# Altium PCB Cubli.PcbDoc (part 4 of 5)
Units mm, origin at the board's own origin, x right, y up, seen from the top; angles counter-clockwise.
Board outline 75.4 x 45.4 mm, 8 copper layers (Top Layer, GND 1, Signal 1, PWR 1, GND 2, Signal 2, PWR 2, Bottom Layer), stack 1.58 mm thick; 473 components, 286 nets, 1760 pads, 916 vias.
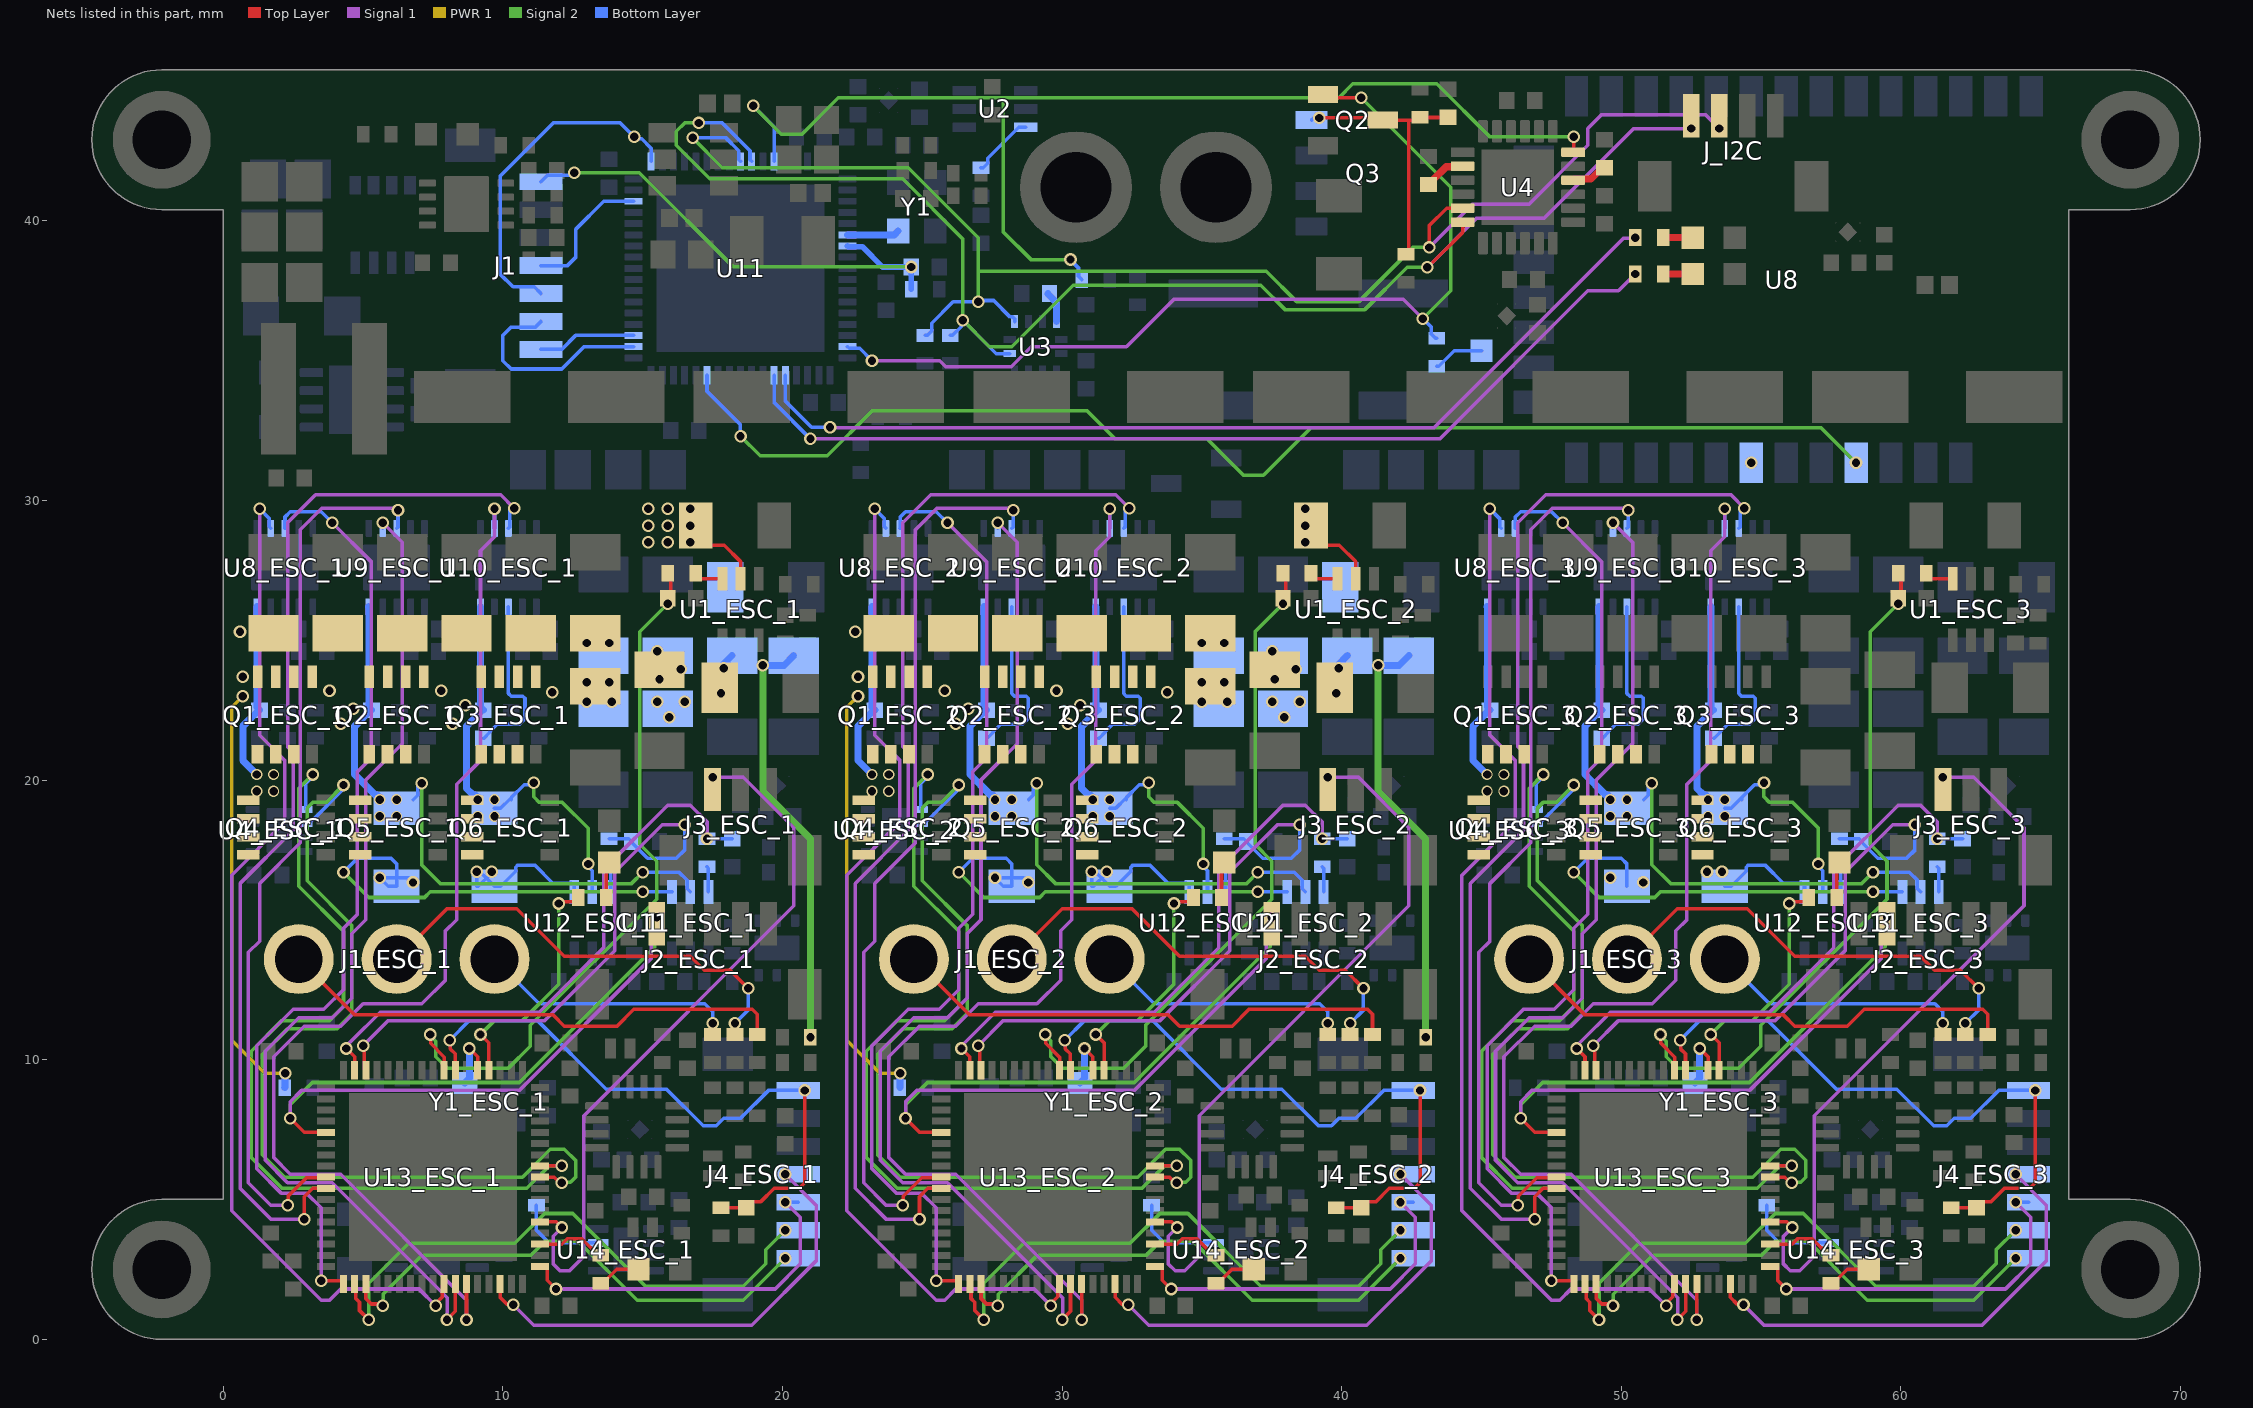
[diagram p10: the nets of this part, all layers, seen from the top]

## Via types
v1: diameter 0.45, hole 0.3, Top Layer to Bottom Layer, tented both sides, 853 vias
v2: diameter 0.4, hole 0.3, Top Layer to Bottom Layer, tented both sides, 63 vias

## Nets (pads, with @x,y where several pads share a name; then routed paths per layer and width w, separated by ;. In a path a pad name is that pad's centre, name@x,y a point inside that pad or via, vN(x,y) a via of type N, cw(c..) or ccw(c..) an arc to the next point about the centre after c; other vN are vias at no path point) (continued)
HB_V_2: C30_ESC_2.2 U9_ESC_2.3 | length 6.3
  Bottom Layer w0.127: C30_ESC_2.2@27.3,21.5 27.325,21.5 27.536,21.712 27.536,21.737 27.8,22 28.594,22 28.79,22.196 28.79,22.926 28.716,23 28.297,23 28.2,23.097 U9_ESC_2.3@28.2,26.2
HB_V_3: C30_ESC_3.2 U9_ESC_3.3 | length 6.3
  Bottom Layer w0.127: C30_ESC_3.2@49.3,21.5 49.325,21.5 49.536,21.712 49.536,21.737 49.8,22 50.594,22 50.79,22.196 50.79,22.926 50.716,23 50.297,23 50.2,23.097 U9_ESC_3.3@50.2,26.2
HB_W_1: C33_ESC_1.2 U10_ESC_1.3 | length 6.3
  Bottom Layer w0.127: C33_ESC_1.2@9.3,21.5 9.325,21.5 9.536,21.712 9.536,21.737 9.8,22 10.594,22 10.79,22.196 10.79,22.926 10.716,23 10.297,23 10.2,23.097 U10_ESC_1.3@10.2,26.2
HB_W_2: C33_ESC_2.2 U10_ESC_2.3 | length 6.3
  Bottom Layer w0.127: C33_ESC_2.2@31.3,21.5 31.325,21.5 31.536,21.712 31.536,21.737 31.8,22 32.594,22 32.79,22.196 32.79,22.926 32.716,23 32.297,23 32.2,23.097 U10_ESC_2.3@32.2,26.2
HB_W_3: C33_ESC_3.2 U10_ESC_3.3 | length 6.3
  Bottom Layer w0.127: C33_ESC_3.2@53.3,21.5 53.325,21.5 53.536,21.712 53.536,21.737 53.8,22 54.594,22 54.79,22.196 54.79,22.926 54.716,23 54.297,23 54.2,23.097 U10_ESC_3.3@54.2,26.2
I2C_ESC.SCL_1: U4_ESC_1.2 U13_ESC_1.60 | length 33.2
  Top Layer w0.127: U13_ESC_1.60@11.325,5.8 11.84,5.8 12.04,5.6 v1(12.1,5.6)
  Signal 2 w0.127: v1(4.3,19.822) 3.677,19.2 3.2,19.2 3,19 3,16.4 4.6,14.8 4.6,11.641 4.059,11.1 2.3,11.1 1.4,10.2 1.4,6.6 2.2,5.8 10.7,5.8 11.7,6.8 12.2,6.8 12.6,6.4 12.6,5.8 12.417,5.617 12.117,5.617 v1(12.1,5.6)
  Bottom Layer w0.127: U4_ESC_1.2@2.95,18.45 3.075,18.45 3.26,18.635 ; 3.261,18.635 4.238,19.612 4.238,19.761 v1(4.3,19.822)
I2C_ESC.SCL_2: U4_ESC_2.2 U13_ESC_2.60 | length 33.2
  Top Layer w0.127: U13_ESC_2.60@33.325,5.8 33.84,5.8 34.04,5.6 v1(34.1,5.6)
  Signal 2 w0.127: v1(26.3,19.822) 25.677,19.2 25.2,19.2 25,19 25,16.4 26.6,14.8 26.6,11.641 26.059,11.1 24.3,11.1 23.4,10.2 23.4,6.6 24.2,5.8 32.7,5.8 33.7,6.8 34.2,6.8 34.6,6.4 34.6,5.8 34.417,5.617 34.117,5.617 v1(34.1,5.6)
  Bottom Layer w0.127: U4_ESC_2.2@24.95,18.45 25.075,18.45 25.259,18.635 26.238,19.612 26.238,19.761 v1(26.3,19.822)
I2C_ESC.SCL_3: U4_ESC_3.2 U13_ESC_3.60 | length 33.2
  Top Layer w0.127: U13_ESC_3.60@55.325,5.8 55.84,5.8 56.04,5.6 v1(56.1,5.6)
  Signal 2 w0.127: v1(48.3,19.822) 47.677,19.2 47.2,19.2 47,19 47,16.4 48.6,14.8 48.6,11.641 48.059,11.1 46.3,11.1 45.4,10.2 45.4,6.6 46.2,5.8 54.7,5.8 55.7,6.8 56.2,6.8 56.6,6.4 56.6,5.8 56.417,5.617 56.117,5.617 v1(56.1,5.6)
  Bottom Layer w0.127: U4_ESC_3.2@46.95,18.45 47.075,18.45 47.259,18.635 ; 47.261,18.635 48.238,19.612 48.238,19.761 v1(48.3,19.822)
I2C_ESC.SDA_1: U4_ESC_1.1 U13_ESC_1.61 | length 30.9
  Top Layer w0.127: U13_ESC_1.61@11.325,6.2 v1(12.1,6.2)
  Signal 2 w0.127: v1(3.2,20.2) 2.7,19.7 2.7,16.2 4.3,14.6 4.3,11.9 3.8,11.4 2.1,11.4 1,10.3 1,6.5 2.1,5.4 10.859,5.4 11.659,6.2 v1(12.1,6.2)
  Bottom Layer w0.127: U4_ESC_1.1@2.95,18.95 2.95,19.863 3.2,20.113 v1(3.2,20.2)
I2C_ESC.SDA_2: U4_ESC_2.1 U13_ESC_2.61 | length 30.9
  Top Layer w0.127: U13_ESC_2.61@33.325,6.2 v1(34.1,6.2)
  Signal 2 w0.127: v1(25.2,20.2) 24.7,19.7 24.7,16.2 26.3,14.6 26.3,11.9 25.8,11.4 24.1,11.4 23,10.3 23,6.5 24.1,5.4 32.859,5.4 33.659,6.2 v1(34.1,6.2)
  Bottom Layer w0.127: U4_ESC_2.1@24.95,18.95 24.95,19.863 25.2,20.113 v1(25.2,20.2)
I2C_ESC.SDA_3: U4_ESC_3.1 U13_ESC_3.61 | length 30.9
  Top Layer w0.127: U13_ESC_3.61@55.325,6.2 v1(56.1,6.2)
  Signal 2 w0.127: v1(47.2,20.2) 46.7,19.7 46.7,16.2 48.3,14.6 48.3,11.9 47.8,11.4 46.1,11.4 45,10.3 45,6.5 46.1,5.4 54.859,5.4 55.659,6.2 v1(56.1,6.2)
  Bottom Layer w0.127: U4_ESC_3.1@46.95,18.95 46.95,19.863 47.2,20.113 v1(47.2,20.2)
I2C_MAIN.SCL: J_I2C.3 R10.2 U3.1 U4.23 U11.60 | length 53.5
  Top Layer w0.127: v1(43.136,39.048) 43.136,39.836 43.75,40.45 U4.23@44.325,40.45
  Top Layer w0.254: v1(53.5,43.3) J_I2C.3@53.5,43.762
  Signal 1 w0.127: v1(43.136,39.048) 44.688,40.6 46.7,40.6 48.8,42.7 48.8,43.3 49.3,43.8 53,43.8 v1(53.5,43.3)
  Signal 2 w0.127: v1(16.786,42.964) 17.85,41.9 24.5,41.9 27,39.4 27,38.2 ; v1(27,37.1) 27,38.2 ; v1(43.136,39.048) 42.548,39.048 40.616,37.116 38.385,37.116 37.3,38.2 27,38.2
  Bottom Layer w0.127: v1(16.786,42.964) 17.98,42.964 18.439,42.506 18.439,42.187 U11.60@18.5,42.125 ; R10.2@25.1,35.9 25.175,35.9 25.336,36.062 25.336,36.337 26.1,37.1 v1(27,37.1) ; v1@26.95,37.15 27.55,37.15 28.138,36.561 28.238,36.561 28.3,36.5 U3.1@28.3,36.4
I2C_MAIN.SDA: J_I2C.4 R9.2 U3.11 U4.24 U11.61 | length 54.6
  Top Layer w0.127: v1(43.061,38.339) 43.079,38.339 44.325,39.584 U4.24@44.325,39.95
  Top Layer w0.254: v1(52.5,43.3) J_I2C.4@52.5,43.762
  Signal 1 w0.127: v1@43.07,38.339 44.832,40.1 47.248,40.1 50.448,43.3 v1(52.5,43.3)
  Signal 2 w0.127: v1(17,43.5) 16.5,43.5 16.2,43.2 16.2,42.7 17.4,41.5 24.3,41.5 26.45,39.35 v1(26.45,36.45) ; v1@26.453,36.447 27.4,35.5 28.2,35.5 30.4,37.7 37.1,37.7 37.988,36.812 40.812,36.812 42.339,38.339 v1(43.061,38.339)
  Bottom Layer w0.127: v1(17,43.5) 17.844,43.5 18.838,42.506 18.838,42.187 U11.61@18.9,42.125 ; R9.2@26,35.9 26.075,35.9 26.388,36.213 26.388,36.388 v1(26.45,36.45) 27.65,35.25 U3.11@28.125,35.25
IMU_INT: R15.2 U4.12 U11.63 | length 42.6
  Top Layer w0.127: U4.12@48.275,42.45 48.3,42.475 v1(48.3,43)
  Signal 2 w0.127: v1(18.948,44.109) 19.957,43.1 20.7,43.1 22,44.4 27.9,44.4 ; v1(30.3,38.615) 28.885,38.615 27.9,39.6 27.9,44.4 ; v1(48.3,43) 45.3,43 43.4,44.9 40.4,44.9 39.9,44.4 27.9,44.4
  Bottom Layer w0.127: v1(18.948,44.109) 19.7,43.357 U11.63@19.7,42.125 ; v1(30.3,38.615) 30.3,38.6 30.586,38.314 30.586,38.014 R15.2@30.7,37.9
ISNS_V_1: C40_ESC_1.1 R26_ESC_1.1 U13_ESC_1.16 | length 20.8
  Top Layer w0.127: v1(4.4,10.4) 4.7,10.1 U13_ESC_1.16@4.7,9.625
  Signal 1 w0.127: v1(4.4,10.4) 4.4,10.487 4.584,10.672 5.612,11.7 11.3,11.7 13.6,14 13.6,16.8 15.9,19.1 16.7,19.1 17.3,18.5 v1(17.3,17.9)
  Bottom Layer w0.127: v1(17.3,17.9) C40_ESC_1.1@18.2,17.9
ISNS_V_2: C40_ESC_2.1 R26_ESC_2.1 U13_ESC_2.16 | length 20.8
  Top Layer w0.127: v1(26.4,10.4) 26.7,10.1 U13_ESC_2.16@26.7,9.625
  Signal 1 w0.127: v1(26.4,10.4) 26.4,10.487 26.584,10.672 27.612,11.7 33.3,11.7 35.6,14 35.6,16.8 37.9,19.1 38.7,19.1 39.3,18.5 v1(39.3,17.9)
  Bottom Layer w0.127: v1(39.3,17.9) C40_ESC_2.1@40.2,17.9
ISNS_V_3: C40_ESC_3.1 R26_ESC_3.1 U13_ESC_3.16 | length 20.8
  Top Layer w0.127: v1(48.4,10.4) 48.7,10.1 U13_ESC_3.16@48.7,9.625
  Signal 1 w0.127: v1(48.4,10.4) 48.4,10.487 48.584,10.672 49.612,11.7 55.3,11.7 57.6,14 57.6,16.8 59.9,19.1 60.7,19.1 61.3,18.5 v1(61.3,17.9)
  Bottom Layer w0.127: v1(61.3,17.9) C40_ESC_3.1@62.2,17.9
ISNS_V_R_1: R26_ESC_1.2 U11_ESC_1.6 | length 0.9
  Bottom Layer w0.127: R26_ESC_1.2@17.3,16.9 17.35,16.85 U11_ESC_1.6@17.35,16
ISNS_V_R_2: R26_ESC_2.2 U11_ESC_2.6 | length 0.9
  Bottom Layer w0.127: R26_ESC_2.2@39.3,16.9 39.35,16.85 U11_ESC_2.6@39.35,16
ISNS_V_R_3: R26_ESC_3.2 U11_ESC_3.6 | length 0.9
  Bottom Layer w0.127: R26_ESC_3.2@61.3,16.9 61.35,16.85 U11_ESC_3.6@61.35,16
ISNS_VIN_1: C2_ESC_1.1 R2_ESC_1.1 U13_ESC_1.8 | length 25.8
  Top Layer w0.127: v1(7.4,10.9) 7.417,10.883 7.417,10.583 7.908,10.092 7.908,9.633 U13_ESC_1.8@7.9,9.625 ; v1(15.9,26.3) C2_ESC_1.1@15.9,26.5 16,26.6 16,27.3 R2_ESC_1.1@15.9,27.4
  Signal 2 w0.127: v1(7.4,10.9) 7.4,10.864 7.6,10.664 7.6,10.1 8,9.7 10.2,9.7 10.984,10.484 10.984,11.226 15.5,15.742 15.5,17.1 14.9,17.7 14.9,25.3 v1(15.9,26.3)
ISNS_VIN_2: C2_ESC_2.1 R2_ESC_2.1 U13_ESC_2.8 | length 25.8
  Top Layer w0.127: v1(29.4,10.9) 29.417,10.883 29.417,10.583 29.908,10.092 29.908,9.633 U13_ESC_2.8@29.9,9.625 ; v1(37.9,26.3) C2_ESC_2.1@37.9,26.5 38,26.6 38,27.3 R2_ESC_2.1@37.9,27.4
  Signal 2 w0.127: v1(29.4,10.9) 29.4,10.864 29.6,10.664 29.6,10.1 30,9.7 32.2,9.7 32.984,10.484 32.984,11.226 37.5,15.742 37.5,17.1 36.9,17.7 36.9,25.3 v1(37.9,26.3)
ISNS_VIN_3: C2_ESC_3.1 R2_ESC_3.1 U13_ESC_3.8 | length 25.8
  Top Layer w0.127: v1(51.4,10.9) 51.417,10.883 51.417,10.583 51.908,10.092 51.908,9.633 U13_ESC_3.8@51.9,9.625 ; v1(59.9,26.3) C2_ESC_3.1@59.9,26.5 60,26.6 60,27.3 R2_ESC_3.1@59.9,27.4
  Signal 2 w0.127: v1(51.4,10.9) 51.4,10.864 51.6,10.664 51.6,10.1 52,9.7 54.2,9.7 54.984,10.484 54.984,11.226 59.5,15.742 59.5,17.1 58.9,17.7 58.9,25.3 v1(59.9,26.3)
ISNS_VIN_R: R6.2 U2.6 | length 2.3
  Bottom Layer w0.127: R6.2@27.1,41.9 27.175,41.9 27.336,42.062 27.336,42.236 28.45,43.35 U2.6@28.7,43.35
ISNS_VIN_R_1: R2_ESC_1.2 U1_ESC_1.6 | length 1.1
  Top Layer w0.127: R2_ESC_1.2@16.9,27.4 16.9,27.361 17.062,27.2 U1_ESC_1.6@17.85,27.2
ISNS_VIN_R_2: R2_ESC_2.2 U1_ESC_2.6 | length 1.1
  Top Layer w0.127: R2_ESC_2.2@38.9,27.4 38.9,27.361 39.061,27.2 U1_ESC_2.6@39.85,27.2
ISNS_VIN_R_3: R2_ESC_3.2 U1_ESC_3.6 | length 1.1
  Top Layer w0.127: R2_ESC_3.2@60.9,27.4 60.9,27.361 61.061,27.2 U1_ESC_3.6@61.85,27.2
ISNS_W_1: C41_ESC_1.1 R27_ESC_1.1 U13_ESC_1.15 | length 21.4
  Top Layer w0.127: v1(5,10.5) 5.05,10.45 5.05,9.675 U13_ESC_1.15@5.1,9.625
  Signal 1 w0.127: v1(5,10.5) 5.9,11.4 11.5,11.4 14,13.9 14,16.7 15.7,18.4 v1(16.5,18.4)
  Bottom Layer w0.127: R27_ESC_1.1@13.8,17.9 14.5,17.9 C41_ESC_1.1@14.6,17.8 14.6,17.775 15.175,17.2 16.2,17.2 16.5,17.5 v1(16.5,18.4)
ISNS_W_2: C41_ESC_2.1 R27_ESC_2.1 U13_ESC_2.15 | length 21.4
  Top Layer w0.127: v1(27,10.5) 27.05,10.45 27.05,9.675 U13_ESC_2.15@27.1,9.625
  Signal 1 w0.127: v1(27,10.5) 27.9,11.4 33.5,11.4 36,13.9 36,16.7 37.7,18.4 v1(38.5,18.4)
  Bottom Layer w0.127: R27_ESC_2.1@35.8,17.9 36.5,17.9 C41_ESC_2.1@36.6,17.8 36.6,17.775 37.175,17.2 38.2,17.2 38.5,17.5 v1(38.5,18.4)
ISNS_W_3: C41_ESC_3.1 R27_ESC_3.1 U13_ESC_3.15 | length 21.4
  Top Layer w0.127: v1(49,10.5) 49.05,10.45 49.05,9.675 U13_ESC_3.15@49.1,9.625
  Signal 1 w0.127: v1(49,10.5) 49.9,11.4 55.5,11.4 58,13.9 58,16.7 59.7,18.4 v1(60.5,18.4)
  Bottom Layer w0.127: R27_ESC_3.1@57.8,17.9 58.5,17.9 C41_ESC_3.1@58.6,17.8 58.6,17.775 59.175,17.2 60.2,17.2 60.5,17.5 v1(60.5,18.4)
ISNS_W_R_1: R27_ESC_1.2 U12_ESC_1.6 | length 0.9
  Bottom Layer w0.127: R27_ESC_1.2@13.8,16.9 13.85,16.85 U12_ESC_1.6@13.85,16
ISNS_W_R_2: R27_ESC_2.2 U12_ESC_2.6 | length 0.9
  Bottom Layer w0.127: R27_ESC_2.2@35.8,16.9 35.85,16.85 U12_ESC_2.6@35.85,16
ISNS_W_R_3: R27_ESC_3.2 U12_ESC_3.6 | length 0.9
  Bottom Layer w0.127: R27_ESC_3.2@57.8,16.9 57.85,16.85 U12_ESC_3.6@57.85,16
LED0: R12.2 U11.22 | length 34.5
  Signal 1 w0.127: v1(21.7,32.615) 21.715,32.6 43.3,32.6 50.084,39.384 50.484,39.384 v1(50.5,39.4)
  Bottom Layer w0.127: U11.22@20.1,34.475 20.1,33.556 21.04,32.615 v1(21.7,32.615)
LED0_1: R33_ESC_1.2 U13_ESC_1.54 | length 2.5
  Top Layer w0.127: U13_ESC_1.54@11.325,3.4 12.1,3.4 12.3,3.6 12.825,3.6 13.425,3 R33_ESC_1.2@13.5,3
LED0_2: R33_ESC_2.2 U13_ESC_2.54 | length 2.5
  Top Layer w0.127: U13_ESC_2.54@33.325,3.4 34.1,3.4 34.3,3.6 34.825,3.6 35.425,3 R33_ESC_2.2@35.5,3
LED0_3: R33_ESC_3.2 U13_ESC_3.54 | length 2.5
  Top Layer w0.127: U13_ESC_3.54@55.325,3.4 56.1,3.4 56.3,3.6 56.825,3.6 57.425,3 R33_ESC_3.2@57.5,3
LED1: R13.2 U11.23 | length 34.8
  Signal 1 w0.127: v1(21,32.2) 43.5,32.2 48.797,37.497 49.897,37.497 v1(50.5,38.1)
  Bottom Layer w0.127: U11.23@19.7,34.475 19.7,33.5 v1(21,32.2)
LED1_1: R34_ESC_1.2 U13_ESC_1.4 | length 8.6
  Top Layer w0.127: v1(9.2,10.9) 9.5,10.6 U13_ESC_1.4@9.5,9.625 ; v1(12,15.585) 12.062,15.646 12.546,15.646 R34_ESC_1.2@12.7,15.8
  Signal 2 w0.127: v1(9.2,10.9) 9.7,11.4 10.7,11.4 12,12.7 v1(12,15.585)
LED1_2: R34_ESC_2.2 U13_ESC_2.4 | length 8.6
  Top Layer w0.127: v1(31.2,10.9) 31.5,10.6 U13_ESC_2.4@31.5,9.625 ; v1(34,15.585) 34.062,15.646 34.546,15.646 R34_ESC_2.2@34.7,15.8
  Signal 2 w0.127: v1(31.2,10.9) 31.7,11.4 32.7,11.4 34,12.7 v1(34,15.585)
LED1_3: R34_ESC_3.2 U13_ESC_3.4 | length 8.6
  Top Layer w0.127: v1(53.2,10.9) 53.5,10.6 U13_ESC_3.4@53.5,9.625 ; v1(56,15.585) 56.062,15.646 56.546,15.646 R34_ESC_3.2@56.7,15.8
  Signal 2 w0.127: v1(53.2,10.9) 53.7,11.4 54.7,11.4 56,12.7 v1(56,15.585)
MCU_TO_XBEE: U8.4 U11.29 | length 45.7
  Signal 2 w0.127: v1(18.5,32.3) 19.2,31.6 21.6,31.6 23.2,33.2 30.9,33.2 31.9,32.2 35.185,32.2 36.485,30.9 37.2,30.9 38.9,32.6 57.14,32.6 v1(58.393,31.347)
  Bottom Layer w0.127: U11.29@17.3,34.475 17.3,33.9 18.485,32.715 18.485,32.315 v1(18.5,32.3)
NetC15_1: C15.1 U3.4 | length 1.1
  Bottom Layer w0.254: C15.1@29.49,37.4 29.49,37.38 29.8,37.07 U3.4@29.8,36.4
NetC16_1: C16.1 U4.10 | length 1.3
  Top Layer w0.254: U4.10@48.275,41.45 48.323,41.498 48.918,41.498 49.38,41.96 C16.1@49.4,41.96
NetC17_1: C17.1 U4.20 | length 1.5
  Top Layer w0.254: C17.1@43.1,41.3 43.125,41.3 43.273,41.448 43.273,41.473 43.735,41.935 44.31,41.935 U4.20@44.325,41.95
NetD2_1: D2.1 R12.1 | length 1.1
  Top Layer w0.254: R12.1@51.5,39.4 D2.1@52.55,39.4
NetD3_1: D3.1 R13.1 | length 1
  Top Layer w0.254: R13.1@51.5,38.1 D3.1@52.55,38.1
NetD5_ESC_1_1: D5_ESC_1.1 R33_ESC_1.1 | length 1.6
  Top Layer w0.127: R33_ESC_1.1@13.5,2 13.575,2 14.075,2.5 D5_ESC_1.1@14.85,2.5
NetD5_ESC_2_1: D5_ESC_2.1 R33_ESC_2.1 | length 1.6
  Top Layer w0.127: R33_ESC_2.1@35.5,2 35.575,2 36.075,2.5 D5_ESC_2.1@36.85,2.5
NetD5_ESC_3_1: D5_ESC_3.1 R33_ESC_3.1 | length 1.6
  Top Layer w0.127: R33_ESC_3.1@57.5,2 57.575,2 58.075,2.5 D5_ESC_3.1@58.85,2.5
NetD6_ESC_1_1: D6_ESC_1.1 R34_ESC_1.1 | length 1.3
  Top Layer w0.127: R34_ESC_1.1@13.7,15.8 13.7,16.95 D6_ESC_1.1@13.8,17.05
NetD6_ESC_2_1: D6_ESC_2.1 R34_ESC_2.1 | length 1.3
  Top Layer w0.127: R34_ESC_2.1@35.7,15.8 35.7,16.95 D6_ESC_2.1@35.8,17.05
NetD6_ESC_3_1: D6_ESC_3.1 R34_ESC_3.1 | length 1.3
  Top Layer w0.127: R34_ESC_3.1@57.7,15.8 57.7,16.95 D6_ESC_3.1@57.8,17.05
NetR36_ESC_1_2: R36_ESC_1.2 U14_ESC_1.7 | length 3.3
  Bottom Layer w0.127: R36_ESC_1.2@11.2,4.8 11.2,3.9 11.65,3.45 U14_ESC_1.7@13.415,3.45
NetR36_ESC_2_2: R36_ESC_2.2 U14_ESC_2.7 | length 3.3
  Bottom Layer w0.127: R36_ESC_2.2@33.2,4.8 33.2,3.9 33.65,3.45 U14_ESC_2.7@35.415,3.45
NetR36_ESC_3_2: R36_ESC_3.2 U14_ESC_3.7 | length 3.3
  Bottom Layer w0.127: R36_ESC_3.2@55.2,4.8 55.2,3.9 55.65,3.45 U14_ESC_3.7@57.415,3.45
OSC: U11.6 Y1.3 | length 1.9
  Bottom Layer w0.254: U11.6@22.325,39.5 24,39.5 Y1.3@24.135,39.635
OSC_1: U13_ESC_1.5 Y1_ESC_1.3 | length 2.2
  Top Layer w0.127: v1(8.8,10.4) 9.1,10.1 U13_ESC_1.5@9.1,9.625
  Bottom Layer w0.254: Y1_ESC_1.3@8.635,9.165 8.8,9.33 v1(8.8,10.4)
OSC_2: U13_ESC_2.5 Y1_ESC_2.3 | length 2.2
  Top Layer w0.127: v1(30.8,10.4) 31.1,10.1 U13_ESC_2.5@31.1,9.625
  Bottom Layer w0.254: Y1_ESC_2.3@30.635,9.165 30.8,9.33 v1(30.8,10.4)
OSC_3: U13_ESC_3.5 Y1_ESC_3.3 | length 2.2
  Top Layer w0.127: v1(52.8,10.4) 53.1,10.1 U13_ESC_3.5@53.1,9.625
  Bottom Layer w0.254: Y1_ESC_3.3@52.635,9.165 52.8,9.33 v1(52.8,10.4)
OUT_U_1: C27_ESC_1.1 J1_ESC_1.1 Q1_ESC_1.1 Q1_ESC_1.2 Q1_ESC_1.3 Q4_ESC_1.5 Q4_ESC_1.6 Q4_ESC_1.7 Q4_ESC_1.8 R19_ESC_1.1 U8_ESC_1.5 | length 25
  Top Layer w0.127: J1_ESC_1.1@2.7,13.6 4.7,11.6 11.8,11.6 12.2,11.2 14.082,11.2 14.682,11.8 18.922,11.8 19.1,11.622 R19_ESC_1.1@19.1,10.9
  Bottom Layer w0.254: v2(1.2,20.2) 0.7,20.7 0.7,21.925 1.275,22.5 C27_ESC_1.1@1.3,22.5 1.207,22.593 1.207,26.193 U8_ESC_1.5@1.2,26.2
  other v2: 1.2,19.6 1.8,19.6 1.8,20.2
OUT_U_2: C27_ESC_2.1 J1_ESC_2.1 Q1_ESC_2.1 Q1_ESC_2.2 Q1_ESC_2.3 Q4_ESC_2.5 Q4_ESC_2.6 Q4_ESC_2.7 Q4_ESC_2.8 R19_ESC_2.1 U8_ESC_2.5 | length 25
  Top Layer w0.127: J1_ESC_2.1@24.7,13.6 26.7,11.6 33.8,11.6 34.2,11.2 36.082,11.2 36.682,11.8 40.922,11.8 41.1,11.622 R19_ESC_2.1@41.1,10.9
  Bottom Layer w0.254: v2(23.2,20.2) 22.7,20.7 22.7,21.925 23.275,22.5 C27_ESC_2.1@23.3,22.5 23.207,22.593 23.207,26.193 U8_ESC_2.5@23.2,26.2
  other v2: 23.2,19.6 23.8,19.6 23.8,20.2
OUT_U_3: C27_ESC_3.1 J1_ESC_3.1 Q1_ESC_3.1 Q1_ESC_3.2 Q1_ESC_3.3 Q4_ESC_3.5 Q4_ESC_3.6 Q4_ESC_3.7 Q4_ESC_3.8 R19_ESC_3.1 U8_ESC_3.5 | length 25
  Top Layer w0.127: J1_ESC_3.1@46.7,13.6 48.7,11.6 55.8,11.6 56.2,11.2 58.082,11.2 58.682,11.8 62.922,11.8 63.1,11.622 R19_ESC_3.1@63.1,10.9
  Bottom Layer w0.254: v2(45.2,20.2) 44.7,20.7 44.7,21.925 45.275,22.5 C27_ESC_3.1@45.3,22.5 45.207,22.593 45.207,26.193 U8_ESC_3.5@45.2,26.2
  other v2: 45.2,19.6 45.8,19.6 45.8,20.2
OUT_V_1: J1_ESC_1.2 R13_ESC_1.2 R21_ESC_1.1 U11_ESC_1.4 | length 33.6
  Top Layer w0.127: J1_ESC_1.2@6.2,13.6 8,15.4 10.5,15.4 12.2,13.7 16.7,13.7 17.2,13.2 18.125,13.2 v1(18.777,12.548)
  Top Layer w0.254: R21_ESC_1.1@18.3,10.9 v1(18.3,11.3)
  Signal 2 w0.127: v1(4.3,16.7) 5.2,15.8 7.2,15.8 7.4,16 v1(15,16)
  Bottom Layer w0.127: v1(4.3,16.7) 4.8,17.2 6,17.2 6.2,17 R13_ESC_1.2@6.2,16.5 ; v1(6.785,16.338) 6.623,16.5 R13_ESC_1.2@6.2,16.5 ; v1@15.062,15.938 v1(15,16) U11_ESC_1.4@16.05,16 ; v1(18.3,11.3) 18.777,11.777 v1(18.777,12.548) ; R13_ESC_1.2@6.2,16.5 v1(5.6,16.5) 5.9,16.2 R13_ESC_1.2@6.2,16.2 R13_ESC_1.2@6.2,16.5
OUT_V_2: J1_ESC_2.2 R13_ESC_2.2 R21_ESC_2.1 U11_ESC_2.4 | length 33.6
  Top Layer w0.127: J1_ESC_2.2@28.2,13.6 30,15.4 32.5,15.4 34.2,13.7 38.7,13.7 39.2,13.2 40.125,13.2 v1(40.777,12.548)
  Top Layer w0.254: R21_ESC_2.1@40.3,10.9 v1(40.3,11.3)
  Signal 2 w0.127: v1(26.3,16.7) 27.2,15.8 29.2,15.8 29.4,16 v1(37,16)
  Bottom Layer w0.127: v1(26.3,16.7) 26.8,17.2 28,17.2 28.2,17 R13_ESC_2.2@28.2,16.5 ; v1(28.785,16.338) 28.623,16.5 R13_ESC_2.2@28.2,16.5 ; v1@37.062,15.938 v1(37,16) U11_ESC_2.4@38.05,16 ; v1(40.3,11.3) 40.777,11.777 v1(40.777,12.548) ; R13_ESC_2.2@28.2,16.5 R13_ESC_2.2@28.2,16.2 27.9,16.2 v1(27.6,16.5) R13_ESC_2.2@28.2,16.5